# Allegro board 1155000-zp-dic_pda_8ch_board_v002.brd (continued)
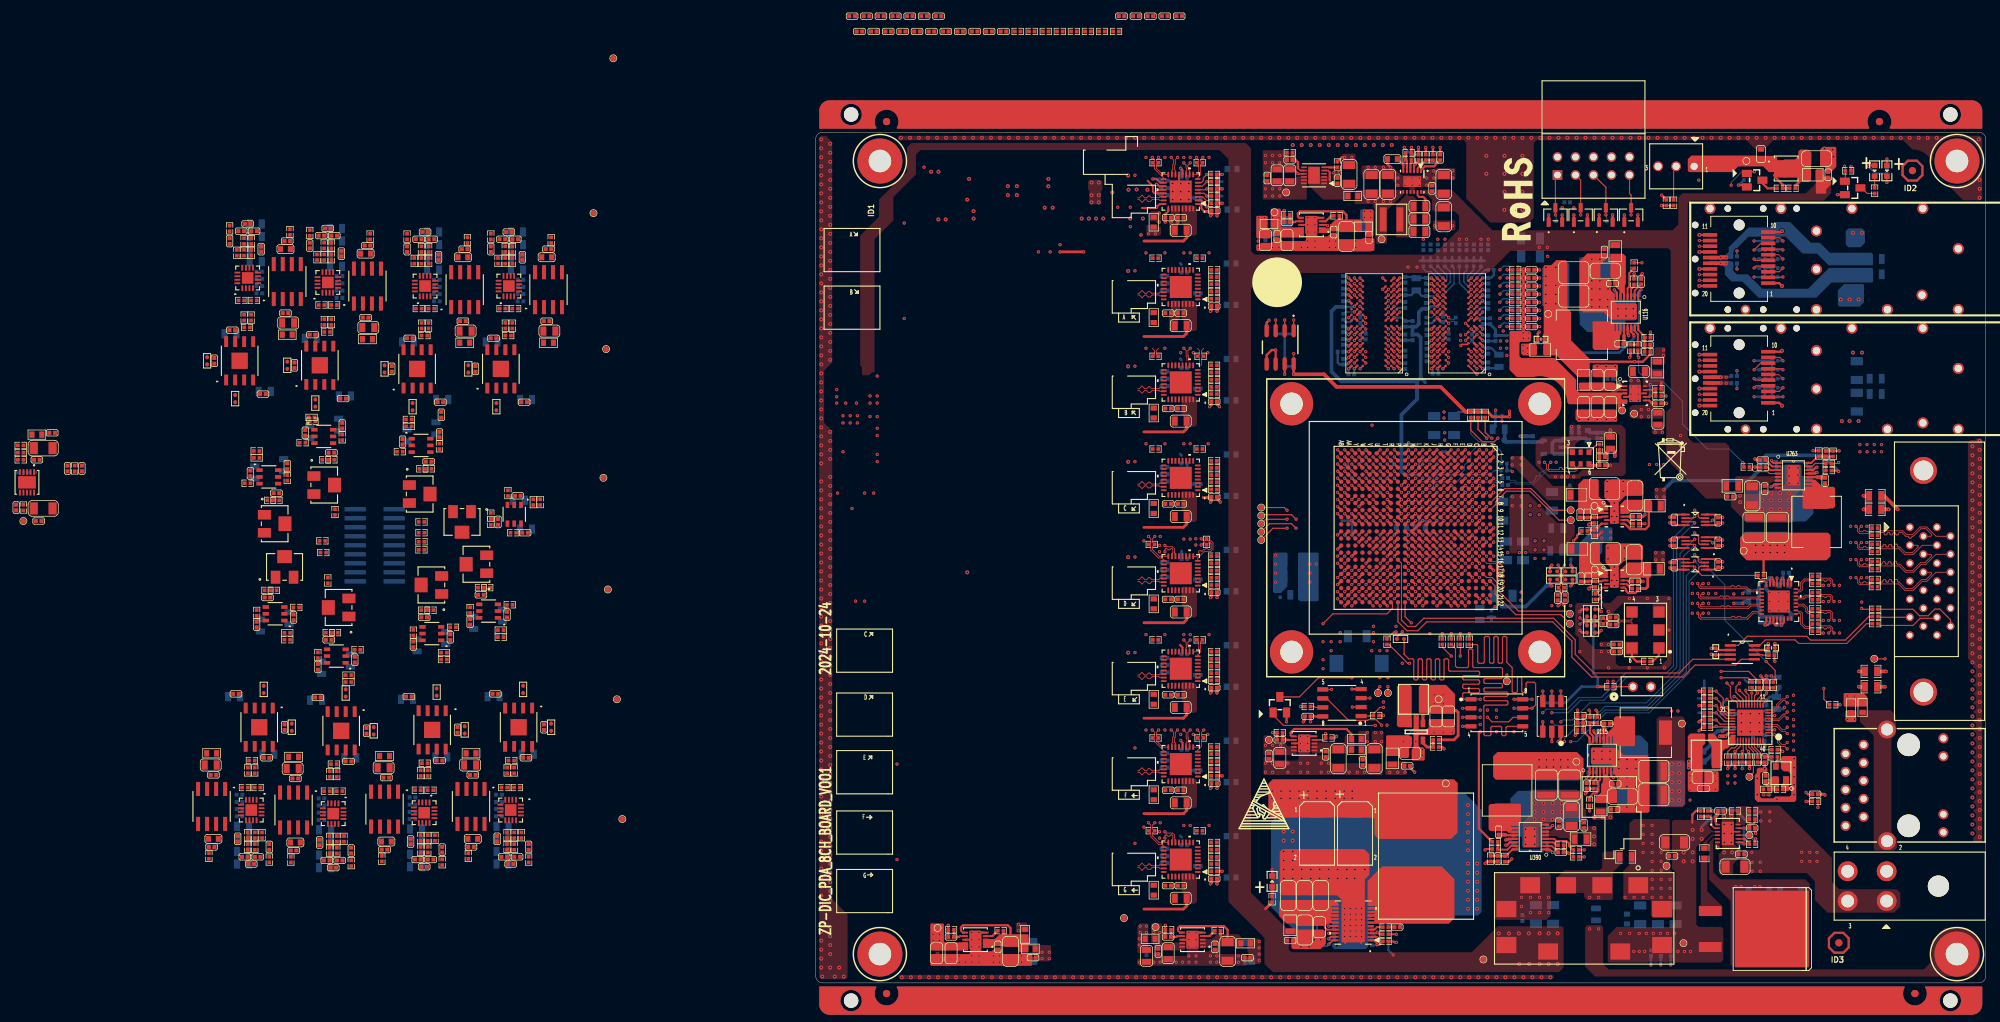
[diagram p0: board, top side]
## Routing (per net, layer and track width the routed paths; a pad name or vN(x,y) marks a point on that pad's centre or on a via; arc(x,y) is an arc through that point) (continued)
RF_MOD_IN_FIXED_N_C: length 22.9
  TOP w0.102: v1(142.84,51.13) 143.16,51.45 143.16,52.11 143,52.27 142.66,52.27 142.48,52.09 142.25,52.09 142.08,52.27 141.61,52.27 141.34,51.99 R2218.2
  ART03 w0.102: J75.9 155.37,54.12 155.47,54.02 155.47,53.94 154.56,53.03 153.64,53.03 152.96,52.35 152.59,52.35 152.49,52.45 152.49,52.5 152.38,52.6 152.18,52.6 152.08,52.5 152.08,52.45 151.98,52.35 151.77,52.35 151.67,52.45 151.67,52.53 151.57,52.63 151.37,52.63 151.27,52.53 151.27,52.45 151.16,52.35 150.96,52.35 150.86,52.45 150.86,52.53 150.76,52.63 150.55,52.63 150.45,52.53 150.45,52.45 150.35,52.35 149.31,52.35 149.05,52.1 148.57,52.1 148.23,51.76 148.23,51.16 148.13,51.05 147.72,51.05 147.62,51.16 147.62,51.76 147.28,52.1 146.54,52.1 146.2,51.76 146.2,51.16 146.1,51.05 145.69,51.05 145.59,51.16 145.59,51.76 145.25,52.1 143.36,52.1 143.02,51.76 143.02,51.31 v1(142.84,51.13)
RF_MOD_IN_FIXED_P: length 56.3
  TOP w0.102: v1(125.14,53.54) 125.01,53.54 124.76,53.29 124.76,53.15 124.86,53.04 127.57,53.04 127.71,53.19 127.97,53.19 128.12,53.04 128.38,53.04 128.53,53.19 128.79,53.19 128.93,53.04 131.4,53.04 131.78,53.42 133.05,53.42 133.17,53.55 U271.13 ; U1.G8 v1(89.6,68.19)
  ART03 w0.102: v1(89.6,68.19) 89.77,68.19 89.88,68.09 89.88,67.86 90.15,67.59 95.21,67.59 95.31,67.49 95.67,67.49 97.37,69.19 107.07,69.19 112.15,64.11 113.67,64.11 116.23,61.55 116.23,58.56 118.17,56.62 118.62,56.62 122.62,52.62 124.55,52.62 124.96,53.03 124.96,53.37 v1(125.14,53.54)
RF_MOD_IN_FIXED_P_C: length 22.9
  TOP w0.102: R2217.2 141.6,52.52 143.11,52.52 143.41,52.21 143.41,51.32 v1(143.6,51.13)
  ART03 w0.102: J75.22 156.22,54.12 154.73,52.62 153.81,52.62 153.13,51.94 149.48,51.94 149.22,51.69 148.74,51.69 148.64,51.59 148.64,50.99 148.3,50.65 147.55,50.65 147.21,50.99 147.21,51.59 147.11,51.69 146.71,51.69 146.6,51.59 146.6,50.99 146.26,50.65 145.52,50.65 145.18,50.99 145.18,51.59 145.08,51.69 143.53,51.69 143.43,51.59 143.43,51.31 v1(143.6,51.13)
RF_MOD_IN_VARIABLE_N: length 60
  TOP w0.102: U1.E9 v1(91.6,67.19) ; U271.16 133.17,52.05 133.04,52.17 132.25,52.17 131.39,51.31 124.79,51.31 124.51,51.59 124.51,52.02 v1(124.38,52.15)
  ART03 w0.102: v1(91.6,67.19) 91.31,67.19 91.21,67.09 91.21,66.95 91.36,66.79 95.07,66.79 95.17,66.9 96.03,66.9 97.28,68.15 100.14,68.15 100.24,68.25 100.24,68.3 100.34,68.4 100.54,68.4 100.65,68.3 100.65,68.25 100.75,68.15 100.95,68.15 101.05,68.25 101.05,68.3 101.15,68.4 101.36,68.4 101.46,68.3 101.46,68.25 101.56,68.15 101.76,68.15 101.87,68.25 101.87,68.3 101.97,68.4 102.17,68.4 102.27,68.3 102.27,68.25 102.37,68.15 105.66,68.15 108.05,65.76 108.05,62.33 108.15,62.23 108.79,62.23 108.89,62.33 108.89,63.03 109.23,63.37 109.97,63.37 110.31,63.03 110.31,62.33 110.42,62.23 114.47,62.23 115.36,61.34 115.36,57.23 117.09,55.5 118.28,55.5 120.87,52.91 121.01,52.91 121.02,52.92 121.17,52.92 121.31,52.78 121.31,52.63 121.3,52.62 121.3,52.48 121.45,52.34 121.59,52.34 121.6,52.35 121.74,52.35 121.89,52.2 121.89,52.06 121.88,52.05 121.88,51.91 122.16,51.63 124.38,51.63 124.56,51.81 124.56,51.97 v1(124.38,52.15)
RF_MOD_IN_VARIABLE_N_C: length 22.8
  TOP w0.102: R2220.2 141.34,49.84 141.61,50.11 142.08,50.11 142.25,49.93 142.48,49.93 142.66,50.11 143,50.11 143.16,49.95 143.16,49.67 v1(142.84,49.35)
  ART03 w0.102: J75.23 158.13,52.85 156.63,51.35 155.91,51.35 154.82,50.27 154.14,50.27 153.46,49.58 150.14,49.58 148.89,48.34 143.48,48.34 143.02,48.8 143.02,49.17 v1(142.84,49.35)
RF_MOD_IN_VARIABLE_P: length 59.8
  TOP w0.102: U1.F9 v1(90.6,67.19) ; v1(125.14,52.15) 125.01,52.15 124.76,51.89 124.76,51.69 124.89,51.56 129.11,51.56 129.26,51.71 129.51,51.71 129.67,51.56 129.92,51.56 130.07,51.71 130.33,51.71 130.48,51.56 131.29,51.56 132.15,52.42 133.04,52.42 133.16,52.55 U271.15
  ART03 w0.102: v1(125.14,52.15) 124.96,51.97 124.96,51.64 124.55,51.22 121.99,51.22 118.12,55.09 116.92,55.09 114.96,57.06 114.96,61.17 114.31,61.82 110.25,61.82 109.91,62.16 109.91,62.87 109.81,62.97 109.4,62.97 109.3,62.87 109.3,62.16 108.96,61.82 107.98,61.82 107.64,62.16 107.64,65.59 105.49,67.74 97.45,67.74 96.19,66.49 95.26,66.49 95.15,66.59 91.27,66.59 91,66.86 91,67.09 90.9,67.19 v1(90.6,67.19)
RF_MOD_IN_VARIABLE_P_C: length 22.8
  TOP w0.102: R2219.2 141.6,50.36 143.11,50.36 143.41,50.06 143.41,49.54 v1(143.6,49.35)
  ART03 w0.102: v1(143.6,49.35) 143.43,49.17 143.43,48.97 143.65,48.74 144.96,48.74 145.06,48.84 145.06,48.9 145.16,49 145.37,49 145.47,48.9 145.47,48.84 145.57,48.74 145.77,48.74 145.88,48.84 145.88,48.9 145.98,49 146.18,49 146.28,48.9 146.28,48.84 146.38,48.74 146.59,48.74 146.69,48.84 146.69,48.9 146.79,49 146.99,49 147.09,48.9 147.09,48.84 147.2,48.74 148.72,48.74 148.86,48.88 148.86,49.02 148.82,49.06 148.82,49.2 148.96,49.35 149.11,49.35 149.14,49.31 149.29,49.31 149.43,49.45 149.43,49.6 149.39,49.63 149.39,49.78 149.54,49.92 149.68,49.92 149.72,49.88 149.86,49.88 149.97,49.99 150.56,49.99 150.66,50.09 150.66,50.17 150.76,50.27 150.97,50.27 151.07,50.17 151.07,50.09 151.17,49.99 151.37,49.99 151.47,50.09 151.47,50.17 151.58,50.27 151.78,50.27 151.88,50.17 151.88,50.09 151.98,49.99 152.19,49.99 152.29,50.09 152.29,50.17 152.39,50.27 152.59,50.27 152.69,50.17 152.69,50.09 152.79,49.99 153.29,49.99 153.97,50.67 154.66,50.67 155.74,51.76 156.46,51.76 157.35,52.64 157.35,52.75 157.25,52.85 J75.10
RF_SYNC_N: length 74.3
  TOP w0.102: R2226.2 148.96,59.22 148.69,58.95 148.22,58.95 148.04,59.13 147.81,59.13 147.64,58.95 147.29,58.95 147.14,59.11 147.14,59.39 v1(147.45,59.71) ; U1.F13 v1(89.61,63.19)
  ART08 w0.102: v1(89.61,63.19) 89.23,63.19 89.13,63.29 89.13,63.49 89.23,63.59 96.09,63.59 96.18,63.5 96.44,63.5 96.95,64.01 97.51,64.01 97.69,63.83 97.92,63.83 98.1,64.01 98.33,64.01 98.51,63.83 98.73,63.83 98.91,64.01 104.51,64.01 105.78,65.28 109.2,65.28 109.88,64.6 109.88,62.38 110.41,61.85 113.82,61.85 114.16,62.19 114.16,62.76 114.26,62.87 114.66,62.87 114.77,62.76 114.77,62.19 115.11,61.85 118.98,61.85 120,60.83 121.69,60.83 122.03,61.17 122.03,62.1 122.13,62.2 122.53,62.2 122.64,62.1 122.64,61.17 122.98,60.83 125.01,60.83 125.12,60.73 125.12,60.16 125.46,59.82 126.4,59.82 126.74,60.16 126.74,60.73 126.84,60.83 128.57,60.83 131.24,58.17 146.33,58.17 147.28,59.12 147.28,59.53 v1(147.45,59.71)
RF_SYNC_P: length 73.6
  TOP w0.102: U1.G13 v1(88.61,63.19) ; R2225.2 148.7,58.7 147.19,58.7 146.88,59 146.88,59.5 146.89,59.51 v1(146.69,59.71)
  ART08 w0.102: v1(146.69,59.71) 146.87,59.53 146.87,59.28 146.16,58.57 131.41,58.57 128.74,61.24 126.67,61.24 126.33,60.9 126.33,60.33 126.23,60.22 125.62,60.22 125.52,60.33 125.52,60.9 125.18,61.24 123.14,61.24 123.04,61.34 123.04,62.27 122.7,62.61 121.96,62.61 121.62,62.27 121.62,61.34 121.52,61.24 120.16,61.24 119.15,62.26 115.27,62.26 115.17,62.36 115.17,62.93 114.83,63.27 114.09,63.27 113.75,62.93 113.75,62.36 113.65,62.26 110.58,62.26 110.28,62.55 110.28,64.77 109.37,65.68 105.61,65.68 104.34,64.41 96.78,64.41 96.16,63.79 89.15,63.79 88.93,63.57 88.93,63.29 88.83,63.19 v1(88.61,63.19)
SFP_MGT_REFCLK_C_N: length 5.3
  TOP w0.102: U1.D5 v1(92.6,71.19)
  BOTTOM w0.102: v1(92.6,71.19) 93,70.79 95.84,70.79 95.86,70.82 96.01,70.82 96.11,70.92 96.26,70.92 96.53,70.92 C989.1
SFP_MGT_REFCLK_C_P: length 5.7
  TOP w0.102: U1.D6 v1(92.6,70.19)
  BOTTOM w0.102: C990.1 96.84,70.49 96.67,70.66 96.26,70.67 96.15,70.57 95.86,70.57 95.84,70.59 92.71,70.59 92.6,70.49 v1(92.6,70.19)
SFP_MGT_REFCLK_N: length 14.6
  TOP w0.102: v1(102.77,73.44) 103.08,73.12 103.08,72.48 103.42,72.14 107.11,72.14 107.36,72.39 107.36,72.71 U270.5
  BOTTOM w0.102: v1(102.77,73.44) 103.08,73.12 103.08,72.6 102.56,72.07 102.41,72.07 102.4,72.08 102.26,72.08 102.11,71.94 102.11,71.8 102.12,71.78 102.12,71.64 101.98,71.5 101.84,71.5 101.82,71.51 101.68,71.51 101.54,71.37 101.54,71.22 101.55,71.21 101.55,71.07 101.1,70.61 98.85,70.61 98.6,70.87 98,70.87 C989.2
SFP_MGT_REFCLK_P: length 14.6
  TOP w0.102: U270.4 107.16,72.75 107.16,72.47 107.08,72.39 106.19,72.39 106.08,72.49 106.08,72.59 105.98,72.69 105.78,72.69 105.68,72.59 105.68,72.49 105.58,72.39 105.37,72.39 105.27,72.49 105.27,72.59 105.17,72.69 104.97,72.69 104.87,72.59 104.87,72.49 104.76,72.39 103.46,72.39 103.34,72.51 103.34,73.12 v1(103.65,73.44)
  BOTTOM w0.102: C990.2 98.04,70.61 98.49,70.61 98.75,70.36 101.2,70.36 103.34,72.49 103.34,73.12 v1(103.65,73.44)
SFPGA_25M_OSC_ETH: length 4
  TOP w0.152: R858.2 134.8,31.9 C865.1 133.78,31.9 132.39,33.29 U93.37
SFPGA_ETH_LED0: length 3.4
  TOP w0.152: U93.32 130.39,33.4 v1(129.63,32.64) R2242.2
  BOTTOM w0.152: R2242.2 v1(129.63,32.64)
SFPGA_ETH_LED1: length 25
  TOP w0.152: U93.33 130.79,32.78 v1(130.65,32.64) R2244.2 ; R835.1 142.16,40.03 v1(142.16,41.53)
  ART03 w0.102: v1(142.16,41.53) 137.08,41.53 135.73,40.18 135.73,33.83 134.67,32.77 132.68,32.77 132.3,33.15 131.16,33.15 v1(130.65,32.64)
  BOTTOM w0.152: R2244.2 v1(130.65,32.64)
SFPGA_ETH_LED2: length 40.7
  TOP w0.152: R2245.2 131.67,32.51 v1(131.54,32.64) 131.19,32.98 U93.34
  ART03 w0.102: J6.12 158.29,24.51 151.43,24.51 147.75,20.83 143.18,20.83 140.51,23.5 140.51,28.96 138.35,31.12 137.59,31.12 136.95,31.75 135.25,31.75 134.92,32.08 132.61,32.08 132.05,32.64 v1(131.54,32.64)
  BOTTOM w0.152: v1(131.54,32.64) 131.67,32.51 R2245.2
SFPGA_ETH_RESET_B: length 24.9
  TOP w0.152: U286.3 124.68,59.3 124.46,59.52 124.46,59.9 v1(123.95,60.4) ; R853.2 135.3,42.69 135.3,44.07 v1(134.03,45.34)
  BOTTOM w0.152: v1(123.95,60.4) 128.19,56.16 128.19,51.18 v1(134.03,45.34)
SFPGA_ETH_RST#_1V8: length 72.8
  TOP w0.152: U286.6 123.74,59.3 123.95,59.5 v1(123.95,59.52) ; U1.M22 v1(84.6,53.19)
  ART08 w0.102: v1(84.6,53.19) 84.43,53.01 84.43,47.45 86.97,44.91 90.87,44.91 100.22,35.56 104.95,35.56 v1(106.47,34.04)
  BOTTOM w0.152: v1(106.47,34.04) 107.36,34.04 111.43,38.1 117.52,38.1 123.16,43.74 123.16,56.64 124.51,57.99 124.51,58.96 v1(123.95,59.52)
SFPGA_ETH_TD_M_A: length 21.6
  TOP w0.102: v1(137,33.91) 136.68,33.59 136.28,33.59 135.86,34.01 135.86,34.54 135.17,35.23 134.87,35.23 134.8,35.3 U93.2
  ART08 w0.102: v1(137,33.91) 137.24,33.67 138.28,33.67 143.94,28.01 143.94,27.66 144.07,27.53 144.07,27.26 143.94,27.13 143.94,26.11 144.08,25.97 144.08,25.7 143.94,25.56 143.94,25.3 144.08,25.15 144.08,24.89 143.94,24.75 143.94,24.13 144.44,23.63 144.58,23.63 144.7,23.75 144.88,23.75 145,23.62 145.89,23.62 146.21,23.94 146.27,24.06 146.23,24.2 J6.3
SFPGA_ETH_TD_M_B: length 24.2
  TOP w0.102: v1(137,36.07) 136.68,35.75 136.28,35.75 135.6,36.43 134.87,36.43 134.8,36.5 U93.5
  ART03 w0.102: J6.7 145.86,29.65 146.71,28.38 146.68,28.24 146.56,28.16 146.32,28.16 145.78,28.7 144.83,28.7 143.96,29.57 143.96,29.79 143.76,30 143.53,30 142.7,30.83 142.22,30.83 141.82,30.43 141.67,30.43 141.53,30.58 141.53,30.72 141.93,31.12 141.93,31.6 141.29,32.24 140.81,32.24 140.19,31.62 140.05,31.62 139.9,31.76 139.9,31.9 140.52,32.53 140.52,33.01 139.99,33.54 139.51,33.54 139.09,33.13 138.95,33.13 138.8,33.27 138.8,33.41 139.22,33.83 139.22,34.31 139.01,34.52 139.01,35.15 138.34,35.83 137.24,35.83 v1(137,36.07)
SFPGA_ETH_TD_M_C: length 21.1
  TOP w0.102: v1(137,38.23) 136.68,37.91 136.43,37.91 135.75,37.23 134.87,37.23 134.8,37.3 U93.7
  ART08 w0.102: v1(137,38.23) 137.24,37.99 139.79,37.99 144.09,33.68 144.09,31.72 144.54,31.27 146,31.27 146.71,30.56 146.71,29.03 146.57,28.9 146.57,28.18 146.63,28.06 146.77,28.01 J6.6
SFPGA_ETH_TD_M_D: length 23.3
  TOP w0.102: v1(137,40.39) 136.68,40.07 136.3,40.07 135.53,39.29 135.53,38.91 135.04,38.43 134.87,38.43 134.8,38.5 U93.10
  ART03 w0.102: J6.9 146.23,31.82 146.27,31.68 146.21,31.56 145.92,31.27 144.85,31.27 144.66,31.46 144.44,31.46 144.24,31.27 144.04,31.27 141.14,34.16 141.14,34.4 141.25,34.5 141.58,34.5 141.92,34.84 141.92,35.59 141.58,35.92 141.25,35.92 141.14,36.03 141.14,36.43 141.25,36.53 141.58,36.53 141.92,36.87 141.92,37.62 141.58,37.96 141.25,37.96 141.14,38.06 141.14,38.23 139.73,39.65 139.73,39.86 139.54,40.04 139.33,40.04 139.23,40.14 138.87,40.14 138.77,40.25 138.77,40.26 138.67,40.36 138.47,40.36 138.37,40.26 138.37,40.25 138.26,40.14 137.24,40.14 v1(137,40.39)
SFPGA_ETH_TD_P_A: length 21.6
  TOP w0.102: U93.1 134.8,34.9 134.87,34.98 135.07,34.98 135.6,34.44 135.6,33.91 136.17,33.34 136.68,33.34 v1(137,33.02)
  ART08 w0.102: J6.2 146.77,23.93 146.63,23.88 146.54,23.69 146.06,23.22 144.28,23.22 143.53,23.96 143.53,27.84 138.11,33.26 137.24,33.26 v1(137,33.02)
SFPGA_ETH_TD_P_B: length 24.2
  TOP w0.102: v1(137,35.18) 136.68,35.5 136.17,35.5 135.49,36.18 134.87,36.18 134.8,36.1 U93.4
  ART03 w0.102: v1(137,35.18) 137.24,35.42 138.17,35.42 138.6,34.99 138.6,34.35 138.81,34.14 138.81,34 138.4,33.58 138.4,33.1 138.78,32.72 139.26,32.72 139.68,33.13 139.82,33.13 140.12,32.84 140.12,32.69 139.5,32.07 139.5,31.59 139.88,31.21 140.36,31.21 140.98,31.83 141.12,31.83 141.52,31.43 141.52,31.29 141.12,30.89 141.12,30.41 141.51,30.02 141.99,30.02 142.39,30.42 142.53,30.42 144.66,28.3 145.61,28.3 146.16,27.75 146.69,27.75 146.84,27.86 146.98,27.83 147.87,26.49 J6.4
SFPGA_ETH_TD_P_C: length 21
  TOP w0.102: U93.6 134.8,36.9 134.87,36.98 135.85,36.98 136.53,37.66 136.68,37.66 v1(137,37.34)
  ART08 w0.102: v1(137,37.34) 137.24,37.58 139.62,37.58 143.68,33.51 143.68,33.31 143.51,33.13 143.51,32.9 143.68,32.72 143.68,32.49 143.51,32.32 143.51,32.09 143.68,31.91 143.68,31.55 144.37,30.86 145.83,30.86 146.3,30.39 146.3,29.2 145.99,28.89 145.99,28.66 146.16,28.48 146.16,28.02 146.24,27.94 146.27,27.87 146.23,27.74 J6.5
SFPGA_ETH_TD_P_D: length 23.3
  TOP w0.102: U93.9 134.8,38.1 134.87,38.18 135.15,38.18 135.78,38.81 135.78,39.19 136.41,39.81 136.68,39.81 v1(137,39.5)
  ART03 w0.102: v1(137,39.5) 137.24,39.74 139.06,39.74 140.74,38.06 140.74,37.89 141.08,37.55 141.42,37.55 141.52,37.45 141.52,37.04 141.42,36.94 141.08,36.94 140.74,36.6 140.74,35.86 141.08,35.52 141.42,35.52 141.52,35.42 141.52,35.01 141.42,34.91 141.08,34.91 140.74,34.57 140.74,33.99 143.87,30.86 146.09,30.86 146.54,31.31 146.63,31.5 146.77,31.55 J6.8
SFPGA_RGMII_MDC: length 50.1
  TOP w0.152: R854.2 131.56,43.94 v1(127.68,43.94) ; U1.G20 v1(89.6,55.19)
  ART08 w0.102: v1(127.68,43.94) 126.71,43.94 125.75,44.91 108.94,44.91 101.27,52.58 94.53,52.58 92.58,54.53 92.58,54.98 91.86,55.7 90.37,55.7 89.86,55.19 v1(89.6,55.19)
SFPGA_RGMII_MDIO: length 47.4
  TOP w0.152: R855.2 131.43,43.05 v1(127.68,43.05) ; U1.F20 v1(90.6,55.19)
  ART08 w0.102: v1(90.6,55.19) 91.19,54.61 91.94,54.61 94.31,52.25 101.09,52.25 109.39,43.94 125.12,43.94 125.88,43.18 127.55,43.18 v1(127.68,43.05)
SFPGA_RGMII_RX_CLK: length 58.8
  TOP w0.152: R2229.2 126.84,36.07 v1(126.97,36.2) 127.06,36.1 U93.27 ; U1.L19 v1(85.6,56.19)
  ART08 w0.102: v1(126.97,36.2) 124.51,36.2 121.79,38.91 102.71,38.91 101.06,40.56 99.44,40.56 92.38,47.63 87.3,47.63 86.1,48.82 86.1,52.68 86.28,52.86 86.28,54.45 86,54.73 86,55.65 85.6,56.05 v1(85.6,56.19)
  BOTTOM w0.152: v1(126.97,36.2) 126.84,36.07 R2229.2
SFPGA_RGMII_RX_CTL: length 57.2
  TOP w0.152: R2231.2 v1(126.97,37.08) 127.55,36.5 U93.26 ; U1.J21 v1(87.6,54.19)
  ART08 w0.102: v1(126.97,37.08) 126.64,37.41 124.43,37.41 122.53,39.32 102.92,39.32 100.16,42.08 100.02,42.08 99.68,41.74 99.53,41.74 99.39,41.88 99.39,42.02 99.73,42.36 99.73,42.51 99.59,42.65 99.44,42.65 99.1,42.31 98.96,42.31 98.81,42.46 98.81,42.6 99.15,42.94 99.15,43.08 93.72,48.51 87.91,48.51 87.58,48.84 87.58,50.77 87.21,51.14 87.21,53.41 87.6,53.8 v1(87.6,54.19)
  BOTTOM w0.152: R2231.2 v1(126.97,37.08)
SFPGA_RGMII_RXD0: length 56.4
  TOP w0.152: R2236.2 v1(126.97,38.1) 128.16,36.9 U93.25 ; U1.H22 v1(87.61,53.19)
  ART08 w0.102: v1(126.97,38.1) 126.66,37.8 124.68,37.8 122.88,39.6 105.34,39.6 105.24,39.7 105.24,40.36 105.14,40.46 104.93,40.46 104.83,40.36 104.83,39.7 104.73,39.6 104.53,39.6 104.42,39.7 104.42,40.36 104.32,40.46 104.12,40.46 104.02,40.36 104.02,39.7 103.92,39.6 103.3,39.6 94.08,48.82 88.13,48.82 87.93,49.03 87.93,50.88 87.61,51.2 v1(87.61,53.19)
  BOTTOM w0.152: R2236.2 v1(126.97,38.1)
SFPGA_RGMII_RXD1: length 53.3
  TOP w0.152: U1.G22 v1(89.6,53.19) ; R2235.2 v1(126.97,39.12) 127.22,38.86 127.22,38.51 128.43,37.3 U93.24
  ART08 w0.102: v1(89.6,53.19) 89.6,52.68 93.12,49.17 94.26,49.17 101.75,41.68 105.53,41.68 105.74,41.48 105.74,40.03 105.89,39.88 106.17,39.88 106.27,39.98 106.27,40.59 106.37,40.69 106.57,40.69 106.68,40.59 106.68,39.98 106.78,39.88 106.98,39.88 107.08,39.98 107.08,40.59 107.18,40.69 107.39,40.69 107.49,40.59 107.49,39.98 107.59,39.88 123.11,39.88 124.38,38.61 126.46,38.61 v1(126.97,39.12)
  BOTTOM w0.152: R2235.2 v1(126.97,39.12)
SFPGA_RGMII_RXD2: length 53.8
  TOP w0.152: U93.23 128.51,37.7 127.6,38.61 127.6,39.5 v1(126.97,40.13) R2240.2 ; U1.G21 v1(89.6,54.19)
  ART08 w0.102: v1(89.6,54.19) 89.6,53.83 90.09,53.34 90.09,52.7 93.27,49.53 94.41,49.53 101.9,42.04 102.5,42.04 102.61,42.14 102.61,42.88 102.71,42.98 102.91,42.98 103.01,42.88 103.01,42.14 103.11,42.04 103.32,42.04 103.42,42.14 103.42,42.88 103.52,42.98 103.72,42.98 103.82,42.88 103.82,42.14 103.93,42.04 106.88,42.04 108.76,40.16 124.35,40.16 124.89,39.62 126.46,39.62 v1(126.97,40.13)
  BOTTOM w0.152: R2240.2 v1(126.97,40.13)
SFPGA_RGMII_RXD3: length 53.4
  TOP w0.152: U1.F21 v1(90.6,54.19) ; U93.22 128.59,38.1 127.98,38.71 127.98,40.13 v1(126.97,41.15) R2230.2
  ART08 w0.102: v1(90.6,54.19) 91.11,53.69 91.11,52.2 93.42,49.89 94.53,49.89 101.01,43.41 104.23,43.41 104.34,43.31 104.34,42.57 104.44,42.47 104.64,42.47 104.74,42.57 104.74,43.31 104.84,43.41 105.05,43.41 105.15,43.31 105.15,42.57 105.25,42.47 105.45,42.47 105.55,42.57 105.55,43.31 105.66,43.41 106.47,43.41 109.44,40.44 122.27,40.44 122.47,40.64 126.28,40.64 126.79,41.15 v1(126.97,41.15)
  BOTTOM w0.152: R2230.2 v1(126.97,41.15)
SFPGA_RGMII_TX_CLK: length 56.1
  TOP w0.152: U1.J20 v1(87.6,55.19) ; v1(128.49,42.29) 128.98,41.8 128.98,40.26 129.41,39.83 129.61,39.83 129.99,39.45 U93.20
  ART08 w0.102: v1(128.49,42.29) 128.49,44.02 127.17,45.34 110.16,45.34 109.32,46.18 109.17,46.18 108.94,45.94 108.79,45.94 108.65,46.08 108.65,46.23 108.89,46.46 108.89,46.61 107.62,47.88 106.6,47.88 101.47,53.01 96.82,53.01 95.04,54.79 93.85,54.79 91.05,57.59 88.44,57.59 88,57.14 88,56.84 87.85,56.69 87.54,56.69 87.21,56.36 87.21,56.3 87.21,56.3 87.21,55.59 v1(87.6,55.19)
SFPGA_RGMII_TX_CTL: length 51
  TOP w0.152: v1(129.51,40.39) 129.63,40.39 130.39,39.63 U93.19 ; U1.E22 v1(91.6,53.19)
  ART08 w0.102: v1(91.6,53.19) 93.84,50.95 95.27,50.95 95.37,50.85 95.37,50.39 95.47,50.29 95.68,50.29 95.78,50.39 95.78,50.85 95.88,50.95 96.08,50.95 96.18,50.85 96.18,50.39 96.29,50.29 96.49,50.29 96.59,50.39 96.59,50.85 96.69,50.95 96.9,50.95 97,50.85 97,50.39 97.1,50.29 97.3,50.29 97.4,50.39 97.4,50.85 97.51,50.95 97.71,50.95 97.81,50.85 97.81,50.39 97.91,50.29 98.12,50.29 98.22,50.39 98.22,50.85 98.32,50.95 98.52,50.95 98.62,50.85 98.62,50.39 98.72,50.29 98.93,50.29 99.03,50.39 99.03,50.85 99.13,50.95 101.37,50.95 109.01,43.31 124.63,43.31 125.73,42.21 127.12,42.21 128.06,41.28 128.62,41.28 v1(129.51,40.39)
SFPGA_RGMII_TXD0: length 60.7
  TOP w0.152: U1.L18 v1(85.6,57.19) ; U93.18 130.79,39.99 129.76,41.02 129.76,41.79 v1(130.27,42.29)
  ART08 w0.102: v1(130.27,42.29) 130.27,44.02 126.41,47.88 125.93,47.88 120.29,53.52 108.17,53.52 106.93,52.27 103.35,52.27 101.06,54.56 97,54.56 95.02,56.54 95.02,57.43 93.86,58.59 89.54,58.59 89.2,58.93 89.2,59.19 88.8,59.59 87.4,59.59 87.17,59.36 87.17,58.93 86.94,58.7 86.46,58.7 86.13,58.37 86.13,57.71 v1(85.6,57.19)
SFPGA_RGMII_TXD1: length 58.8
  TOP w0.152: U93.17 131.19,40.35 v1(130.27,41.28) ; U1.K19 v1(86.6,56.19)
  ART08 w0.102: v1(130.27,41.28) 129.71,41.83 129.71,43.46 127.33,45.85 110.23,45.85 109.64,46.44 109.64,46.59 109.94,46.89 109.94,47.03 109.79,47.17 109.65,47.17 109.35,46.87 109.21,46.87 109.06,47.02 109.06,47.16 109.36,47.46 109.36,47.61 109.22,47.75 109.07,47.75 108.77,47.45 108.63,47.45 108.49,47.59 108.49,47.74 108.79,48.04 108.79,48.18 108.64,48.32 108.5,48.32 108.2,48.02 108.06,48.02 107.69,48.39 106.73,48.39 101.67,53.44 97.05,53.44 95.32,55.17 93.98,55.17 91.35,57.8 87.43,57.8 87.17,57.53 87.17,57.15 86.6,56.59 v1(86.6,56.19)
SFPGA_RGMII_TXD2: length 59.9
  TOP w0.152: U93.16 131.59,40.56 131.16,41 v1(131.16,41.28) ; U1.K17 v1(86.6,59.19)
  ART08 w0.102: v1(131.16,41.28) 131.16,43.77 126.54,48.39 125.88,48.39 120.47,53.8 107.95,53.8 106.8,52.65 103.48,52.65 100.38,55.75 98.95,55.75 98.84,55.65 98.84,55.35 98.74,55.25 98.54,55.25 98.44,55.35 98.44,55.65 98.34,55.75 98.09,55.75 97.58,55.25 96.95,55.25 95.39,56.81 95.39,57.7 94.29,58.8 90.22,58.8 90.09,58.92 90.09,59.44 89.73,59.8 87.21,59.8 v1(86.6,59.19)
SFPGA_RGMII_TXD3: length 52.8
  TOP w0.152: U1.E21 v1(91.6,54.19) ; U93.15 v1(131.99,40.89)
  ART08 w0.102: v1(131.99,40.89) 131.92,40.82 130.04,40.82 129.08,41.78 128.06,41.78 127.25,42.6 125.9,42.6 124.84,43.66 109.17,43.66 100.91,51.92 99.4,51.92 99.3,51.82 99.3,51.54 99.2,51.44 99,51.44 98.9,51.54 98.9,51.82 98.79,51.92 98.59,51.92 98.49,51.82 98.49,51.54 98.39,51.44 98.18,51.44 98.08,51.54 98.08,51.82 97.98,51.92 97.78,51.92 97.68,51.82 97.68,51.54 97.58,51.44 97.37,51.44 97.27,51.54 97.27,51.82 97.17,51.92 96.97,51.92 96.86,51.82 96.86,51.54 96.76,51.44 96.56,51.44 96.46,51.54 96.46,51.82 96.36,51.92 96.15,51.92 96.05,51.82 96.05,51.54 95.95,51.44 95.75,51.44 95.64,51.54 95.64,51.82 95.54,51.92 95.34,51.92 95.24,51.82 95.24,51.54 95.14,51.44 94.93,51.44 94.83,51.54 94.83,51.82 94.73,51.92 93.88,51.92 v1(91.6,54.19)
SYS_CLK_CON_N: length 58.8
  TOP w0.102: v1(104.69,53.21) 104.9,53.21 105,53.31 105,53.59 C939.1
  ART08 w0.102: J75.5 155.31,59.2 155.41,59.1 155.41,59.01 154.5,58.1 150.6,58.1 148.28,55.78 147.71,55.78 144.89,52.96 142.16,52.96 141.14,51.94 129.21,51.94 128.09,53.06 122.69,53.06 120.41,55.35 113.46,55.35 113.31,55.19 109.91,55.19 109.61,54.89 105.54,54.89 104.94,54.28 104.94,53.45 v1(104.69,53.21)
SYS_CLK_CON_P: length 59.9
  TOP w0.102: v1(105.58,53.21) 105.38,53.21 105.26,53.34 105.26,53.56 C940.1
  ART08 w0.102: J75.18 156.17,59.2 154.67,57.69 150.77,57.69 148.45,55.37 147.87,55.37 145.06,52.55 142.33,52.55 141.31,51.54 129.04,51.54 127.92,52.65 122.53,52.65 120.24,54.94 113.63,54.94 113.47,54.79 110.08,54.79 109.77,54.48 105.71,54.48 105.34,54.11 105.34,53.45 v1(105.58,53.21)
TIMING_SPI_CLK_N: length 61.6
  TOP w0.102: U271.10 133.16,55.05 133.04,55.17 131.59,55.17 131.16,55.6 124.77,55.6 124.52,55.85 124.52,56.19 v1(124.38,56.34) ; U1.E12 v1(91.6,63.19)
  ART08 w0.102: v1(124.38,56.34) 124.56,56.16 124.56,56 124.41,55.85 123.26,55.85 123.11,56.01 123.11,57.4 122.73,57.79 122.54,57.79 122.43,57.89 122.43,57.94 122.33,58.04 122.13,58.04 122.03,57.94 122.03,57.89 121.93,57.79 121.72,57.79 121.62,57.89 121.62,57.94 121.52,58.04 121.32,58.04 121.21,57.94 121.21,57.89 121.11,57.79 120.91,57.79 120.81,57.89 120.81,57.94 120.71,58.04 120.5,58.04 120.4,57.94 120.4,57.89 120.3,57.79 119.94,57.79 119.84,57.89 119.84,58.77 119.5,59.11 118.75,59.11 118.41,58.77 118.41,57.89 118.31,57.79 117.72,57.79 117.57,57.93 117.57,60.04 117.23,60.38 116.21,60.38 115.87,60.04 115.87,58.39 115.77,58.29 115.36,58.29 115.26,58.39 115.26,60.37 114.92,60.71 113.74,60.71 113.64,60.81 113.64,60.88 113.54,60.99 113.33,60.99 113.23,60.88 113.23,60.81 113.13,60.71 112.93,60.71 112.83,60.81 112.83,60.88 112.72,60.99 112.52,60.99 112.42,60.88 112.42,60.81 112.32,60.71 111.01,60.71 110.91,60.81 110.91,60.83 110.81,60.93 110.6,60.93 110.5,60.83 110.5,60.81 110.4,60.71 109.54,60.71 109.27,60.98 109.27,63.44 108.42,64.29 105.67,64.29 104.75,63.37 100.82,63.37 99.24,61.8 98.8,61.8 98.69,61.9 98.69,61.95 98.59,62.05 98.39,62.05 98.29,61.95 98.29,61.9 98.19,61.8 97.98,61.8 97.88,61.9 97.88,61.95 97.78,62.05 97.58,62.05 97.47,61.95 97.47,61.9 97.37,61.8 97.17,61.8 97.07,61.9 97.07,61.95 96.97,62.05 96.76,62.05 96.66,61.95 96.66,61.9 96.56,61.8 96.21,61.8 96.11,61.7 95.43,61.7 95.21,61.92 95.21,62.54 94.95,62.79 91.71,62.79 91.6,62.9 v1(91.6,63.19)
TIMING_SPI_CLK_N_C: length 22.4
  TOP w0.102: R2214.2 141.34,56.57 141.61,56.84 142.08,56.84 142.25,56.66 142.48,56.66 142.66,56.84 143,56.84 143.16,56.68 143.16,56.4 v1(142.84,56.08)
  ART03 w0.102: v1(142.84,56.08) 143.02,56.26 143.02,56.73 142.62,57.13 142.62,58.36 143.46,59.21 150.52,59.21 151.79,57.94 154.57,57.94 155.18,57.68 155.82,57.05 157.17,57.05 J75.20
TIMING_SPI_CLK_P: length 59.8
  TOP w0.102: U271.9 133.17,55.55 133.04,55.42 131.69,55.42 131.26,55.85 130.41,55.85 130.24,56.03 130.01,56.03 129.83,55.85 129.6,55.85 129.42,56.03 129.2,56.03 129.02,55.85 124.88,55.85 124.78,55.96 124.78,56.1 125.01,56.34 v1(125.14,56.34) ; U1.E13 v1(91.6,62.19)
  ART08 w0.102: v1(91.6,62.19) 91.6,62.49 91.71,62.59 94.87,62.59 95,62.45 95,61.84 95.35,61.49 96.02,61.49 96.12,61.39 99.41,61.39 100.99,62.97 104.92,62.97 105.84,63.88 108.25,63.88 108.86,63.27 108.86,60.81 109.37,60.3 114.75,60.3 114.85,60.2 114.85,58.23 115.19,57.89 115.94,57.89 116.28,58.23 116.28,59.87 116.38,59.97 117.06,59.97 117.17,59.87 117.17,57.76 117.55,57.38 118.48,57.38 118.82,57.72 118.82,58.6 118.92,58.7 119.33,58.7 119.43,58.6 119.43,57.72 119.77,57.38 122.56,57.38 122.7,57.24 122.7,55.84 123.09,55.45 124.58,55.45 124.97,55.83 124.97,56.16 v1(125.14,56.34)
TIMING_SPI_CLK_P_C: length 22.4
  TOP w0.102: R2213.2 141.6,57.09 143.11,57.09 143.41,56.79 143.41,56.28 v1(143.6,56.08)